# Altium PCB X98_CARRIER_V1R2_12082022.PcbDoc (part 6 of 10) (continued)
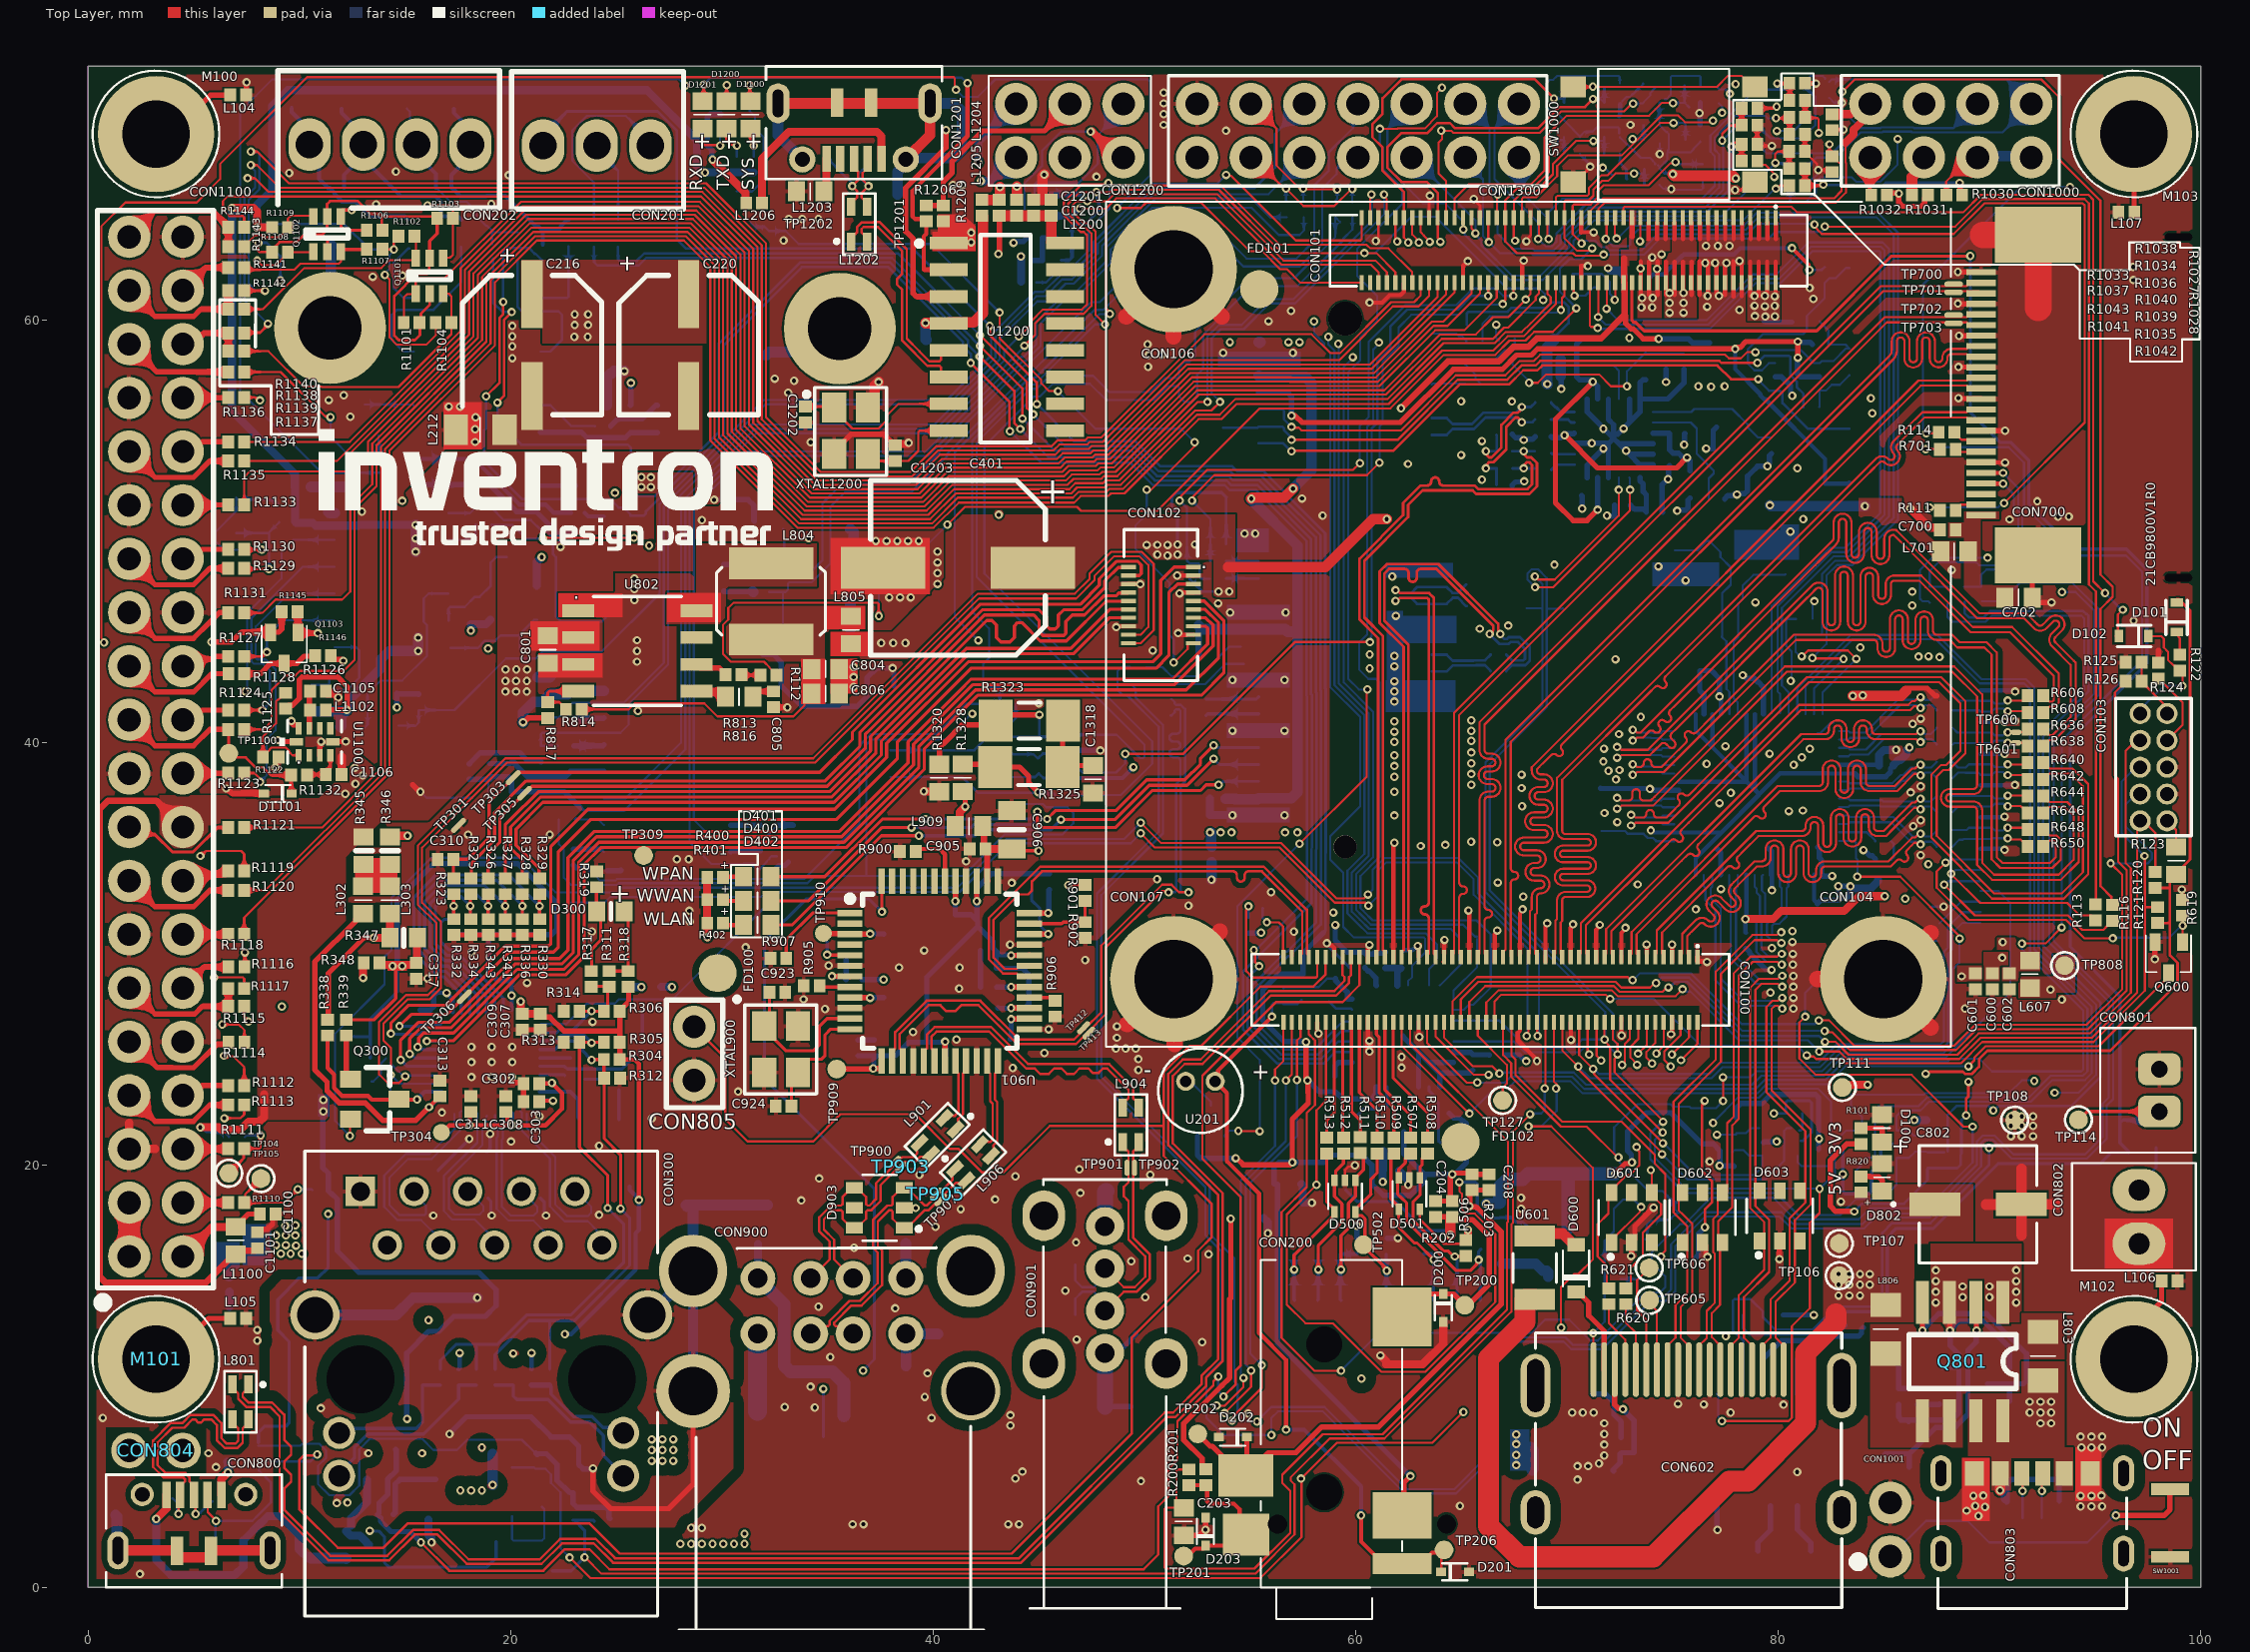
[diagram p0: Top Layer view]
## Nets (pads, with @x,y where several pads share a name; then routed paths per layer and width w, separated by ;. In a path a pad name is that pad's centre, name@x,y a point inside that pad or via, vN(x,y) a via of type N, cw(c..) or ccw(c..) an arc to the next point about the centre after c; other vN are vias at no path point) (continued)
  Bottom Layer w0.102: v1(73.114,38.967) 73.195,38.967 73.312,38.85 74.453,38.85 74.532,38.928 U600.44@75.082,38.928
LVDSTX2_P: R648.1 U600.43 | length 43.1
  Top Layer w0.102: v1(73.114,38.465) 73.193,38.465 73.323,38.595 74.588,38.595 80.843,44.85 83.135,44.85 83.358,44.85 84.519,44.85 cw(c84.519,44.672) 84.697,44.672 84.697,44.463 ccw(c85.118,44.463) 85.539,44.463 85.539,45.831 cw(c85.716,45.831) 85.894,45.831 85.894,44.836 ccw(c86.315,44.836) 86.736,44.836 86.736,45.779 cw(c86.914,45.779) 87.092,45.779 87.092,45.271 ccw(c87.513,45.271) 87.513,44.85 88.135,44.85 88.284,44.701 ; 88.177,44.8 88.482,44.496 89.767,44.496 89.837,44.426 90.106,44.157 90.106,34.468 90.517,34.057 92.98,34.057 93.384,34.461 93.384,35.392 93.182,35.594 92.844,35.594 92.823,35.614 92.784,35.614 92.556,35.843 R648.1@92.556,35.868
  Bottom Layer w0.102: v1(73.114,38.465) 73.193,38.465 73.335,38.607 74.453,38.607 74.532,38.528 U600.43@75.082,38.528
LVDSTX3_N: R642.1 U600.38 | length 44
  Top Layer w0.102: v1(73.035,36.567) 73.115,36.567 73.244,36.438 73.528,36.438 73.579,36.438 ccw(c73.579,36.616) 73.756,36.616 73.756,36.626 cw(c73.934,36.626) 74.112,36.626 74.112,36.616 ccw(c74.29,36.616) 74.29,36.438 74.7,36.438 75.018,36.755 75.257,36.995 75.293,37.03 ccw(c75.167,37.156) 75.293,37.282 cw(c75.418,37.408) 75.293,37.533 cw(c75.418,37.408) 75.544,37.533 ccw(c75.67,37.659) 75.796,37.533 76.412,38.15 81.353,43.091 87.724,43.091 88.869,41.945 88.869,39.494 88.066,38.69 87.812,38.69 87.506,38.384 87.506,35.573 90.233,32.846 92.995,32.846 ; R642.1@92.556,38.245 92.556,38.271 92.784,38.499 92.823,38.499 92.844,38.52 93.842,38.52 94.435,37.927 94.435,33.861 93.421,32.847 92.995,32.847
  Bottom Layer w0.102: v1(73.035,36.567) 73.115,36.567 73.244,36.438 73.931,36.438 73.943,36.45 74.453,36.45 74.532,36.528 U600.38@75.082,36.528
LVDSTX3_P: R640.1 U600.37 | length 43.9
  Top Layer w0.102: v1(73.035,36.065) 73.115,36.065 73.244,36.195 74.801,36.195 75.189,36.583 81.454,42.847 87.623,42.847 88.626,41.844 88.626,39.594 87.965,38.933 87.711,38.933 87.263,38.485 87.263,35.473 90.132,32.603 93.095,32.603 ; R640.1@92.556,39.038 92.556,39.012 92.784,38.784 92.823,38.784 92.844,38.763 93.943,38.763 94.678,38.028 94.678,33.76 93.522,32.604 93.096,32.604
  Bottom Layer w0.102: v1(73.035,36.065) 73.115,36.065 73.244,36.195 74.032,36.195 74.044,36.207 74.453,36.207 74.532,36.128 U600.37@75.082,36.128
MDI0_N: CON300.10 U300.2 | length 8.4
  Bottom Layer w0.102: U300.2@20.45,22.542 20.518,22.474 20.518,21.733 20.518,21.632 21.855,20.295 21.855,18.035 22.154,17.736 22.556,17.334 23.647,17.334 24.062,16.919 24.062,16.798 CON300.10@24.396,16.465
MDI0_P: CON300.9 U300.1 | length 7.9
  Bottom Layer w0.102: U300.1@20.761,22.428 20.761,21.733 22.098,20.396 22.098,18.136 22.397,17.837 22.657,17.577 23.647,17.577 23.8,17.729 23.8,18.034 23.292,18.542 CON300.9@23.292,18.618
MDI1_N: CON300.8 U300.5 | length 7.7
  Bottom Layer w0.102: U300.5@19.253,22.352 19.253,22.047 19.38,21.92 19.38,21.336 19.328,21.284 19.328,17.92 19.792,17.456 19.889,17.359 21.082,17.359 CON300.8@21.913,16.528
MDI1_P: CON300.7 U300.4 | length 7.2
  Bottom Layer w0.102: U300.4@19.634,22.377 19.623,22.367 19.623,21.235 19.572,21.183 19.572,18.02 19.99,17.602 21.082,17.602 21.26,17.78 21.26,18.009 20.828,18.44 CON300.7@20.828,18.466
MDI2_N: CON300.6 U300.7 | length 8.2
  Bottom Layer w0.102: U300.7@18.415,22.454 18.415,21.057 16.826,19.467 16.826,17.82 17.236,17.41 18.303,17.41 CON300.6@19.177,16.535
MDI2_P: CON300.5 U300.6 | length 7.9
  Bottom Layer w0.102: CON300.5@18.237,18.618 18.237,18.517 18.694,18.059 18.694,17.831 18.517,17.653 17.337,17.653 17.069,17.921 17.069,19.366 18.658,20.956 18.658,21.884 18.838,22.064 18.838,22.293 U300.6@18.872,22.327
MDI3_N: CON300.4 U300.10 | length 9.7
  Bottom Layer w0.102: CON300.4@16.612,16.535 15.763,17.384 14.631,17.384 14.006,18.009 14.006,19.493 15.037,20.523 16.154,20.523 17.339,21.708 17.339,22.158 17.324,22.172 U300.10@17.324,22.417
MDI3_P: CON300.3 U300.9 | length 9.3
  Bottom Layer w0.102: CON300.3@15.773,18.466 15.773,18.296 15.977,18.093 15.977,17.687 15.917,17.628 15.822,17.628 14.732,17.628 14.249,18.11 14.249,19.392 15.138,20.28 16.255,20.28 17.582,21.607 17.582,22.474 U300.9@17.65,22.542
MIC_EN: Q200.1 R119.1 | length 74.5
  Top Layer w0.102: v1(54.444,21.614) 54.453,21.605 55.446,21.605 v1(55.454,21.596) ; v1(57.343,35.2) 60.519,38.375 60.519,42.463 v1(60.56,42.504) ; v1(61.145,69.047) 61.15,69.051 61.981,69.051 61.993,69.063 63.27,69.063 63.848,69.641 63.848,70.729 64.086,70.967 v1(64.086,70.99)
  Layer 2 w0.102: v1(64.086,70.99) 64.651,71.556 76.703,71.556 77.59,70.669 77.674,70.669 v1(77.708,70.704)
  Bottom Layer w0.102: Q200.1@53.803,21.346 53.803,21.404 54.013,21.614 v1(54.444,21.614) ; v1(55.454,21.596) 55.454,24.974 54.402,26.027 54.402,32.216 54.402,32.258 v1(57.343,35.2) ; v1(60.56,42.504) 60.153,42.504 59.641,43.017 59.641,57.518 60.214,58.092 60.214,59.142 61.011,59.939 61.011,61.15 60.065,62.097 60.065,63.351 62.195,65.482 62.195,66.228 61.294,67.128 61.294,68.135 61.145,68.284 v1(61.145,69.047) ; R119.1@77.095,71.037 77.218,70.914 77.493,70.914 77.704,70.704 v1(77.708,70.704)
MIPI_CSI_CLK_N: CON100.53 CON700.5 TP702.1 | length 45
  Top Layer w0.102: CON100.53@65.779,29.837 65.779,29.925 65.858,30.003 65.858,35.472 65.858,37.248 cw(c66.279,37.248) 66.279,37.669 66.439,37.669 ccw(c66.439,37.847) 66.617,37.847 ccw(c66.439,37.847) 66.439,38.025 66.246,38.025 cw(c66.246,38.446) 65.825,38.446 cw(c66.246,38.446) 66.246,38.867 66.439,38.867 ccw(c66.439,39.044) 66.617,39.044 ccw(c66.439,39.044) 66.439,39.222 66.279,39.222 cw(c66.279,39.643) 65.858,39.643 65.858,39.816 65.858,40.941 85.045,60.128 88.931,60.128 89.059,60.257 CON700.5@89.609,60.257
MIPI_CSI_CLK_P: CON100.51 CON700.6 TP703.1 | length 45
  Top Layer w0.102: CON100.51@66.179,29.791 66.179,29.925 66.101,30.003 66.101,31.13 66.101,31.537 cw(c66.279,31.537) 66.279,31.715 ccw(c66.279,31.892) 66.279,32.07 cw(c66.279,32.248) 66.101,32.248 66.101,32.5 66.101,35.472 66.101,37.248 cw(c66.279,37.248) 66.279,37.426 66.439,37.426 ccw(c66.439,37.847) 66.86,37.847 ccw(c66.439,37.847) 66.439,38.268 66.246,38.268 cw(c66.246,38.446) 66.068,38.446 cw(c66.246,38.446) 66.246,38.623 66.439,38.623 ccw(c66.439,39.044) 66.86,39.044 ccw(c66.439,39.044) 66.439,39.465 66.279,39.465 cw(c66.279,39.643) 66.101,39.643 66.101,39.816 66.101,40.84 85.146,59.885 88.931,59.885 89.059,59.757 CON700.6@89.609,59.757
MIPI_CSI_D0_N: CON100.59 CON700.2 TP700.1 | length 45
  Top Layer w0.102: CON100.59@64.579,29.837 64.579,29.925 64.658,30.003 64.658,41.397 84.859,61.599 88.901,61.599 89.059,61.757 CON700.2@89.609,61.757
MIPI_CSI_D0_P: CON100.57 CON700.3 TP701.1 | length 45
  Top Layer w0.102: CON100.57@64.979,29.837 64.979,29.925 64.901,30.003 64.901,30.824 64.901,32.653 cw(c65.079,32.653) 65.079,32.831 65.089,32.831 ccw(c65.089,33.008) 65.089,33.186 65.079,33.186 cw(c65.079,33.364) 64.901,33.364 64.901,33.803 64.901,41.296 84.96,61.356 89.51,61.356 CON700.3@89.609,61.257
MIPI_CSI_D1_N: CON100.47 CON700.8 | length 45.2
  Top Layer w0.102: CON100.47@66.979,29.837 66.979,30.087 67.028,30.136 67.036,30.136 67.095,30.195 67.095,40.124 85.176,58.205 85.262,58.291 ; 85.262,58.291 ccw(c84.987,58.567) 85.377,58.567 85.377,58.992 cw(c85.798,58.992) 86.219,58.992 86.219,58.169 ccw(c86.396,58.169) 86.574,58.169 86.574,58.992 cw(c86.995,58.992) 87.416,58.992 87.416,58.176 ccw(c87.594,58.176) 87.772,58.176 87.772,58.207 cw(c88.193,58.207) 88.193,58.628 88.582,58.628 88.804,58.628 88.931,58.628 89.059,58.757 CON700.8@89.609,58.757
MIPI_CSI_D1_P: CON100.45 CON700.9 | length 45
  Top Layer w0.102: CON100.45@67.379,29.837 67.339,29.877 67.339,32.932 67.339,33.339 cw(c67.516,33.339) 67.516,33.516 ccw(c67.517,33.694) 67.517,33.872 cw(c67.516,34.05) 67.339,34.05 67.339,34.507 67.339,40.024 85.176,57.861 85.434,58.119 ccw(c84.987,58.567) 85.62,58.567 85.62,58.992 cw(c85.798,58.992) 85.975,58.992 85.975,58.169 ccw(c86.396,58.169) 86.817,58.169 86.817,58.992 cw(c86.995,58.992) 87.173,58.992 87.173,58.176 ccw(c87.594,58.176) 88.015,58.176 88.015,58.207 cw(c88.193,58.207) 88.193,58.385 88.582,58.385 88.804,58.385 88.931,58.385 88.983,58.333 CON700.9@89.533,58.333
MIPI_CSI_D2_N: CON100.41 CON700.11 | length 45
  Top Layer w0.102: CON100.41@68.179,29.837 68.179,29.925 68.258,30.003 68.258,32.015 68.334,32.091 68.334,32.314 68.334,32.677 cw(c68.755,32.677) 68.755,33.098 ccw(c68.755,33.275) 68.755,33.453 68.456,33.453 cw(c68.456,33.874) 68.456,34.295 68.576,34.295 ccw(c68.576,34.473) 68.576,34.651 67.963,34.651 cw(c67.963,35.072) 67.963,35.493 68.91,35.493 ccw(c68.91,35.671) 68.91,35.848 68.438,35.848 cw(c68.438,36.269) 68.438,36.69 68.91,36.69 ccw(c68.91,36.868) 68.91,37.046 68.649,37.046 cw(c68.649,37.467) 68.649,37.888 68.91,37.888 ccw(c68.91,38.066) 68.91,38.244 68.755,38.244 cw(c68.755,38.665) 68.334,38.665 68.334,38.82 68.351,38.837 86.643,57.128 88.931,57.128 89.059,57.257 CON700.11@89.609,57.257
MIPI_CSI_D2_P: CON100.39 CON700.12 | length 45
  Top Layer w0.102: CON100.39@68.579,29.837 68.579,29.925 68.501,30.003 68.501,31.848 68.577,31.925 68.577,32.091 68.577,32.314 68.577,32.677 cw(c68.755,32.677) 68.755,32.854 ccw(c68.755,33.275) 68.755,33.696 68.456,33.696 cw(c68.456,33.874) 68.456,34.052 68.576,34.052 ccw(c68.576,34.473) 68.576,34.894 67.963,34.894 cw(c67.963,35.072) 67.963,35.25 68.91,35.25 ccw(c68.91,35.671) 68.91,36.092 68.438,36.092 cw(c68.438,36.269) 68.438,36.447 68.91,36.447 ccw(c68.91,36.868) 68.91,37.289 68.649,37.289 cw(c68.649,37.467) 68.649,37.645 68.91,37.645 ccw(c68.91,38.066) 68.91,38.487 68.755,38.487 cw(c68.755,38.665) 68.577,38.665 68.577,38.719 68.695,38.837 68.972,39.114 69.259,39.401 cw(c69.385,39.275) 69.511,39.401 ccw(c69.637,39.527) 69.762,39.401 ccw(c69.637,39.527) 69.762,39.653 cw(c69.888,39.778) 69.762,39.904 70.064,40.206 86.743,56.885 88.931,56.885 89.059,56.757 CON700.12@89.609,56.757
MIPI_CSI_D3_N: CON100.35 CON700.14 | length 45.1
  Top Layer w0.102: CON100.35@69.379,29.837 69.379,29.925 69.458,30.003 69.458,31.567 69.534,31.643 69.534,32.529 cw(c69.93,32.529) 69.93,32.924 70.947,32.924 ccw(c70.947,33.077) 71.099,33.077 ccw(c70.947,33.077) 70.947,33.229 69.821,33.229 cw(c69.821,33.625) 69.426,33.625 cw(c69.821,33.625) 69.821,34.02 70.981,34.02 ccw(c70.981,34.173) 71.133,34.173 ccw(c70.981,34.173) 70.981,34.325 69.821,34.325 cw(c69.821,34.721) 69.426,34.721 cw(c69.821,34.721) 69.821,35.116 70.981,35.116 ccw(c70.981,35.269) 71.133,35.269 ccw(c70.981,35.269) 70.981,35.421 69.93,35.421 cw(c69.93,35.817) 69.534,35.817 69.534,35.989 69.534,38.331 84.076,52.873 84.197,52.995 ; 84.198,52.995 84.62,53.418 cw(c84.919,53.12) 85.216,53.419 ; 85.217,53.418 ccw(c85.342,53.544) 85.468,53.418 ccw(c85.342,53.544) 85.468,53.669 ; 85.467,53.67 cw(c85.766,53.967) 85.468,54.266 85.945,54.742 ; 85.946,54.743 86.067,54.864 86.831,55.628 88.931,55.628 89.059,55.757 CON700.14@89.609,55.757
MIPI_CSI_D3_P: CON100.33 CON700.15 | length 45.1
  Top Layer w0.102: CON100.33@69.779,29.837 69.779,29.925 69.701,30.003 69.701,31.466 69.777,31.543 69.777,31.643 69.777,32.529 cw(c69.93,32.529) 69.93,32.681 70.947,32.681 ccw(c70.947,33.077) 71.342,33.077 ccw(c70.947,33.077) 70.947,33.472 69.821,33.472 cw(c69.821,33.625) 69.669,33.625 cw(c69.821,33.625) 69.821,33.777 70.981,33.777 ccw(c70.981,34.173) 71.376,34.173 ccw(c70.981,34.173) 70.981,34.568 69.821,34.568 cw(c69.821,34.721) 69.669,34.721 cw(c69.821,34.721) 69.821,34.873 70.981,34.873 ccw(c70.981,35.269) 71.376,35.269 ccw(c70.981,35.269) 70.981,35.664 69.93,35.664 cw(c69.93,35.817) 69.777,35.817 69.777,35.989 69.777,38.231 73.878,42.331 74.165,42.618 cw(c74.291,42.493) 74.417,42.618 ccw(c74.542,42.744) 74.668,42.618 ccw(c74.542,42.744) 74.668,42.87 cw(c74.794,42.996) 74.668,43.121 75.101,43.554 84.248,52.701 84.369,52.823 84.792,53.246 cw(c84.919,53.12) 85.044,53.246 ; 85.045,53.246 ccw(c85.342,53.544) 85.639,53.246 ; 85.64,53.247 ccw(c85.342,53.544) 85.64,53.841 cw(c85.766,53.967) 85.64,54.093 86.117,54.57 86.239,54.692 86.932,55.385 88.931,55.385 89.059,55.257 CON700.15@89.609,55.257
MIPI_DSI_CK_N: CON100.15 R641.1 U600.8 | length 27.8
  Top Layer w0.102: CON100.15@73.379,29.837 73.379,29.925 73.301,30.003 73.301,30.177 73.301,30.92 78.554,36.174 78.842,36.461 cw(c78.967,36.335) 79.093,36.461 79.108,36.447 ccw(c79.233,36.572) 79.359,36.447 ccw(c79.233,36.572) 79.359,36.698 79.344,36.713 cw(c79.47,36.838) 79.344,36.964 79.525,37.145 80.072,37.692 81.762,37.692 81.934,37.692 ccw(c81.934,38.113) 82.355,38.113 82.355,38.722 cw(c82.533,38.722) 82.533,38.9 cw(c82.533,38.722) 82.711,38.722 82.711,37.789 ccw(c83.132,37.789) 83.132,37.368 ccw(c83.132,37.789) 83.553,37.789 83.553,38.722 cw(c83.731,38.722) 83.731,38.9 cw(c83.731,38.722) 83.908,38.722 83.908,38.113 ccw(c84.329,38.113) 84.329,37.692 85.204,37.692 85.626,37.692 86.448,38.514 86.532,38.514 86.551,38.495 86.684,38.495 v1(86.741,38.438)
  Bottom Layer w0.102: U600.8@82.897,37.739 83.324,37.739 83.402,37.818 85.502,37.818 85.869,38.185 85.989,38.185 86.372,38.567 86.532,38.567 86.661,38.438 v1(86.741,38.438) 86.82,38.438 86.95,38.567 87.252,38.567 87.506,38.313 R641.1@87.506,38.288
MIPI_DSI_CK_P: CON100.17 R639.1 U600.7 | length 27.8
  Top Layer w0.102: CON100.17@72.979,29.837 72.979,29.925 73.058,30.003 73.058,30.278 73.058,31.021 79.972,37.935 81.762,37.935 81.934,37.935 ccw(c81.934,38.113) 82.112,38.113 82.112,38.722 cw(c82.533,38.722) 82.533,39.143 cw(c82.533,38.722) 82.954,38.722 82.954,37.789 ccw(c83.132,37.789) 83.132,37.611 ccw(c83.132,37.789) 83.31,37.789 83.31,38.722 cw(c83.731,38.722) 83.731,39.143 cw(c83.731,38.722) 84.152,38.722 84.152,38.113 ccw(c84.329,38.113) 84.329,37.935 85.204,37.935 85.525,37.935 86.347,38.757 86.479,38.757 86.661,38.94 v1(86.741,38.94)
  Bottom Layer w0.102: U600.7@82.897,38.139 83.324,38.139 83.402,38.061 85.402,38.061 85.796,38.455 85.916,38.455 86.271,38.811 86.532,38.811 86.661,38.94 v1(86.741,38.94) 86.82,38.94 86.95,38.811 87.252,38.811 87.506,39.065 R639.1@87.506,39.09
MIPI_DSI_D0_N: CON100.27 R607.1 U600.2 | length 27.7
  Top Layer w0.102: CON100.27@70.979,29.837 70.979,29.925 70.901,30.003 70.901,31.342 74.635,35.077 74.923,35.364 cw(c75.048,35.238) 75.174,35.364 75.196,35.342 ccw(c75.322,35.468) 75.447,35.342 ccw(c75.322,35.468) 75.447,35.594 75.425,35.616 cw(c75.551,35.741) 75.425,35.867 75.752,36.194 81.09,41.531 86.266,41.531 86.448,41.714 86.532,41.714 86.551,41.695 86.684,41.695 v1(86.741,41.638)
  Bottom Layer w0.102: U600.2@82.897,40.139 83.324,40.139 83.402,40.218 84.219,40.218 85.769,41.767 86.532,41.767 86.661,41.638 v1(86.741,41.638) 86.82,41.638 86.95,41.767 87.218,41.767 ; 87.218,41.767 87.277,41.767 87.506,41.538 R607.1@87.506,41.513
MIPI_DSI_D0_P: CON100.29 R605.1 U600.1 | length 27.7
  Top Layer w0.102: CON100.29@70.579,29.837 70.579,29.925 70.658,30.003 70.658,31.443 80.989,41.774 86.165,41.774 86.347,41.957 86.479,41.957 86.661,42.139 v1(86.741,42.139)
  Bottom Layer w0.102: U600.1@82.897,40.539 83.324,40.539 83.402,40.461 84.119,40.461 85.668,42.01 86.532,42.01 86.661,42.139 v1(86.741,42.139) 86.82,42.139 86.95,42.01 87.226,42.01 87.506,42.29 R605.1@87.506,42.315
MIPI_DSI_D1_N: CON100.21 R637.1 U600.4 | length 27.6
  Top Layer w0.102: CON100.21@72.179,29.837 72.179,29.925 72.101,30.003 72.101,31.061 75.432,34.392 75.72,34.68 cw(c75.845,34.554) 75.971,34.68 75.977,34.673 ccw(c76.103,34.799) 76.229,34.673 ccw(c76.103,34.799) 76.229,34.925 76.222,34.931 cw(c76.348,35.057) 76.222,35.183 76.62,35.58 81.187,40.148 82.046,40.148 82.218,40.148 ccw(c82.218,40.569) 82.639,40.569 82.639,40.624 cw(c82.817,40.624) 82.817,40.802 cw(c82.817,40.624) 82.995,40.624 82.995,40.194 ccw(c83.416,40.194) 83.416,39.773 ccw(c83.416,40.194) 83.837,40.194 83.837,40.624 cw(c84.014,40.624) 84.014,40.802 cw(c84.014,40.624) 84.192,40.624 84.192,40.569 ccw(c84.613,40.569) 84.613,40.148 85.459,40.148 86.532,40.148 86.661,40.018 v1(86.741,40.018)
  Bottom Layer w0.102: U600.4@82.897,39.339 83.324,39.339 83.402,39.418 84.258,39.418 84.987,40.148 86.532,40.148 86.661,40.018 v1(86.741,40.018) 86.82,40.018 86.95,40.148 87.218,40.148 ; 87.218,40.147 87.277,40.147 87.506,39.919 R637.1@87.506,39.893
MIPI_DSI_D1_P: CON100.23 R635.1 U600.3 | length 27.6
  Top Layer w0.102: CON100.23@71.779,29.837 71.779,29.925 71.858,30.003 71.858,31.162 81.087,40.391 82.046,40.391 82.218,40.391 ccw(c82.218,40.569) 82.396,40.569 82.396,40.624 cw(c82.817,40.624) 82.817,41.045 cw(c82.817,40.624) 83.238,40.624 83.238,40.194 ccw(c83.416,40.194) 83.416,40.016 ccw(c83.416,40.194) 83.593,40.194 83.593,40.624 cw(c84.014,40.624) 84.014,41.045 cw(c84.014,40.624) 84.435,40.624 84.435,40.569 ccw(c84.613,40.569) 84.613,40.391 85.459,40.391 86.532,40.391 86.661,40.52 v1(86.741,40.52)
  Bottom Layer w0.102: U600.3@82.897,39.739 83.324,39.739 83.402,39.661 84.157,39.661 84.887,40.391 86.532,40.391 86.661,40.52 v1(86.741,40.52) 86.82,40.52 86.95,40.391 87.226,40.391 87.506,40.671 R635.1@87.506,40.696
MIPI_DSI_D2_N: CON100.9 R645.1 U600.10 | length 27.7
  Top Layer w0.102: CON100.9@74.579,29.837 74.579,29.925 74.501,30.003 74.501,31.003 77.303,33.805 77.591,34.093 cw(c77.716,33.967) 77.842,34.093 77.857,34.078 ccw(c77.982,34.204) 78.108,34.078 ccw(c77.982,34.204) 78.108,34.329 78.093,34.344 cw(c78.219,34.47) 78.093,34.595 78.37,34.872 79.062,35.564 79.748,35.564 81.118,35.564 ccw(c81.118,35.985) 81.539,35.985 81.539,36.053 cw(c81.716,36.053) 81.716,36.231 cw(c81.716,36.053) 81.894,36.053 81.894,35.227 ccw(c82.315,35.227) 82.315,34.806 ccw(c82.315,35.227) 82.736,35.227 82.736,36.424 cw(c82.914,36.424) 82.914,36.601 cw(c82.914,36.424) 83.092,36.424 83.092,35.49 ccw(c83.513,35.49) 83.513,35.069 ccw(c83.513,35.49) 83.934,35.49 83.934,36.424 cw(c84.112,36.424) 84.112,36.601 cw(c84.112,36.424) 84.289,36.424 84.289,35.985 ccw(c84.71,35.985) 84.71,35.564 85.104,35.564 85.483,35.944 85.534,35.995 86.448,36.908 86.532,36.908 86.551,36.89 86.684,36.89 v1(86.741,36.833)
  Bottom Layer w0.102: U600.10@82.897,36.939 83.324,36.939 83.402,37.018 84.812,37.018 84.868,36.962 86.532,36.962 86.661,36.833 v1(86.741,36.833) 86.82,36.833 86.95,36.962 87.252,36.962 87.506,36.707 R645.1@87.506,36.682
MIPI_DSI_D2_P: CON100.11 R643.1 U600.9 | length 27.7
  Top Layer w0.102: CON100.11@74.179,29.837 74.179,29.925 74.258,30.003 74.258,31.103 78.961,35.807 79.748,35.807 81.118,35.807 ccw(c81.118,35.985) 81.295,35.985 81.295,36.053 cw(c81.716,36.053) 81.716,36.474 cw(c81.716,36.053) 82.137,36.053 82.137,35.227 ccw(c82.315,35.227) 82.315,35.049 ccw(c82.315,35.227) 82.493,35.227 82.493,36.424 cw(c82.914,36.424) 82.914,36.845 cw(c82.914,36.424) 83.335,36.424 83.335,35.49 ccw(c83.513,35.49) 83.513,35.313 ccw(c83.513,35.49) 83.691,35.49 83.691,36.424 cw(c84.112,36.424) 84.112,36.845 cw(c84.112,36.424) 84.533,36.424 84.533,35.985 ccw(c84.71,35.985) 84.71,35.807 85.003,35.807 85.311,36.116 85.534,36.338 86.347,37.152 86.479,37.152 86.661,37.334 v1(86.741,37.334)
  Bottom Layer w0.102: U600.9@82.897,37.339 83.324,37.339 83.402,37.261 84.913,37.261 84.969,37.205 86.532,37.205 86.661,37.334 v1(86.741,37.334) 86.82,37.334 86.95,37.205 87.252,37.205 87.506,37.459 R643.1@87.506,37.485
MIPI_DSI_D3_N: CON100.3 R649.1 U600.12 | length 27.8
  Top Layer w0.102: CON100.3@75.779,29.837 75.779,29.925 75.701,30.003 75.701,30.838 75.811,30.948 ; 75.795,30.933 75.811,30.948 ; 75.917,31.054 75.811,30.948 ; 75.932,31.07 75.811,30.948 ; 75.933,31.07 76.263,31.4 cw(c76.389,31.275) 76.515,31.4 ; 76.516,31.4 ccw(c76.813,31.698) 77.11,31.997 76.899,32.207 ; 76.899,32.208 cw(c77.024,32.334) 76.899,32.459 cw(c77.024,32.334) 77.15,32.459 ; 77.151,32.459 77.512,32.097 ccw(c77.81,32.395) 78.107,32.097 ; 77.957,33.094 ccw(c78.083,32.969) 77.957,32.843 78.107,32.693 cw(c77.81,32.395) 78.108,32.098 ; 77.958,33.095 78.079,33.216 78.99,34.127 79.057,34.127 79.229,34.127 ccw(c79.229,34.548) 79.65,34.548 79.65,34.94 cw(c79.828,34.94) 79.828,35.118 cw(c79.828,34.94) 80.006,34.94 80.006,33.805 ccw(c80.427,33.805) 80.427,33.384 ccw(c80.427,33.805) 80.848,33.805 80.848,34.94 cw(c81.026,34.94) 81.026,35.118 cw(c81.026,34.94) 81.203,34.94 81.203,33.805 ccw(c81.624,33.805) 81.624,33.384 ccw(c81.624,33.805) 82.045,33.805 82.045,33.949 cw(c82.223,33.949) 82.223,34.127 82.915,34.127 85.308,34.127 85.328,34.127 85.605,34.405 cw(c85.731,34.279) 85.857,34.405 ccw(c85.983,34.53) 86.108,34.405 ccw(c85.983,34.53) 86.108,34.656 cw(c86.234,34.782) 86.108,34.907 86.328,35.127 86.448,35.247 86.532,35.247 86.551,35.228 86.684,35.228 v1(86.741,35.171)
  Bottom Layer w0.102: U600.12@82.897,36.139 83.324,36.139 83.402,36.218 85.359,36.218 85.724,35.852 85.724,35.847 86.271,35.301 86.532,35.301 86.661,35.171 v1(86.741,35.171) 86.82,35.171 86.95,35.301 87.218,35.301 ; 87.218,35.3 87.277,35.3 87.506,35.072 R649.1@87.506,35.046
MIPI_DSI_D3_P: CON100.5 R647.1 U600.11 | length 27.8
  Top Layer w0.102: CON100.5@75.379,29.837 75.379,29.925 75.458,30.003 75.458,30.939 75.674,31.155 ; 75.623,31.104 75.639,31.12 75.76,31.242 76.091,31.572 cw(c76.389,31.275) 76.686,31.574 ccw(c76.813,31.698) 76.938,31.825 76.727,32.036 cw(c77.024,32.334) 76.726,32.631 ; 76.727,32.632 cw(c77.024,32.334) 77.323,32.631 77.683,32.27 ; 77.683,32.27 ccw(c77.81,32.395) 77.935,32.269 ccw(c77.81,32.395) 77.935,32.521 ; 77.935,32.521 77.786,32.67 cw(c78.083,32.969) 77.786,33.267 77.907,33.388 78.889,34.37 79.057,34.37 79.229,34.37 ccw(c79.229,34.548) 79.407,34.548 79.407,34.94 cw(c79.828,34.94) 79.828,35.361 cw(c79.828,34.94) 80.249,34.94 80.249,33.805 ccw(c80.427,33.805) 80.427,33.627 ccw(c80.427,33.805) 80.605,33.805 80.605,34.94 cw(c81.026,34.94) 81.026,35.361 cw(c81.026,34.94) 81.447,34.94 81.447,33.805 ccw(c81.624,33.805) 81.624,33.627 ccw(c81.624,33.805) 81.802,33.805 81.802,33.949 cw(c82.223,33.949) 82.223,34.37 82.915,34.37 85.227,34.37 86.347,35.49 86.479,35.49 86.661,35.673 v1(86.741,35.673)
  Bottom Layer w0.102: U600.11@82.897,36.539 83.324,36.539 83.402,36.461 85.46,36.461 85.812,36.109 86.036,35.884 86.036,35.879 86.372,35.544 86.532,35.544 86.661,35.673 v1(86.741,35.673) 86.82,35.673 86.95,35.544 87.226,35.544 87.506,35.824 R647.1@87.506,35.849
NetC201_1: C201.1 C202.2 L200.2 U200.5
NetC204_2: C204.2 C205.2 CON200.2 D200.2 R202.1 TP200.1 | length 17.3
  Top Layer w0.254: CON200.2@62.2,12.8 63.29,13.89 D200.2@64.148,13.89 64.631,13.89 TP200.1@65.164,13.357 65.322,13.357 66.327,14.363 66.327,16.608 65.524,17.411 64.699,17.411 C204.2@64.572,17.538 ; R202.1@63.775,17.538 C204.2@64.546,17.538
  Top Layer w0.508: v1(64.479,16.686) 64.479,17.445 64.521,17.487 64.521,17.512 64.546,17.538 C204.2@64.572,17.538
  Bottom Layer w0.152: C205.2@59.538,18.796 60.075,18.259 61.915,18.259 62.833,17.341 62.833,16.982 62.937,16.877 64.266,16.877 64.458,16.686 v1(64.479,16.686)
NetC205_1: C205.1 U200.6 | length 2.5
  Bottom Layer w0.152: C205.1@60.071,22.352 60.372,22.653 61.388,22.653 61.478,22.743 U200.6@61.478,23.694
NetC206_1: C206.1 L201.2 U200.20 | length 1.7
  Bottom Layer w0.305: L201.2@61.402,29.316 62.171,29.316 61.98,29.126 61.98,28.497 U200.20@61.978,28.494
NetC207_1: C207.1 U200.2 | length 2.9
  Bottom Layer w0.152: U200.2@63.478,23.694 63.478,23.494 63.551,23.421 63.561,23.421 63.65,23.331 63.65,23.222 63.902,22.97 63.902,22.014 63.922,21.994 63.922,21.144 C207.1@64.011,21.055
NetC207_2: C207.2 C208.1 CON200.3 D202.2 R203.1 TP202.1 | length 27.3
  Top Layer w0.254: TP202.1@52.525,7.267 53.109,6.683 53.217,6.683 54.6,5.3 CON200.3@54.8,5.3 CON200.3@54.843,5.343 ; D202.2@54.843,7.111 CON200.3@54.843,5.343 ; v1(65.381,18.051) 65.409,18.023 65.672,18.023 65.725,17.969 65.756,17.969 66.886,16.839 66.886,13.393 61.088,7.595 58.39,7.595 57.169,6.373 55.873,6.373 CON200.3@54.843,5.343 ; v1@65.426,18.071 65.409,18.087 65.409,18.715 R203.1@65.502,18.808 C208.1@66.315,18.808
NetC209_1: C209.1 L204.2 U200.30 | length 1.7
  Bottom Layer w0.254: U200.30@64.628,25.344 64.651,25.321 65.45,25.321 C209.1@65.541,25.23 65.554,25.217 66.304,25.217 L204.2@66.316,25.204
NetC210_2: C210.2 R205.1 U200.16 | length 3.9
  Bottom Layer w0.117: R205.1@56.591,28.369 56.631,28.409 58.238,28.409 58.651,28.822 C210.2@58.909,28.822
  Bottom Layer w0.254: C210.2@59.036,28.822 59.036,28.744 C210.2@59.084,28.696 ; C210.2@59.085,28.696 59.605,28.177 59.605,27.867 59.628,27.844 U200.16@59.828,27.844
NetC211_1: C211.1 U200.15 | length 1.3
  Bottom Layer w0.117: C211.1@58.728,27.739 59.076,27.391 59.781,27.391 U200.15@59.828,27.344
NetC211_2: C211.2 CON200.1 D201.2 R205.2 TP206.1 U201.P | length 36.8
  Top Layer w0.117: D201.2@64.039,0.736 64.052,0.736 TP206.1@64.052,1.64
  Top Layer w0.2: v1(56.032,27.014) 53.483,24.464 53.483,24.093 U201.P@53.349,23.959 53.899,23.409 53.899,20.172 55.428,18.643 55.428,12.039 56.698,10.769 v1(56.698,7.467) ; v1(60.254,3.403) 60.254,2.171 61.3,1.125 CON200.1@62.2,1.125 63.1,1.125 63.615,1.64 TP206.1@64.052,1.64
  Bottom Layer w0.117: v1(56.032,27.014) 56.032,27.578 56.111,27.657 56.554,27.657 R205.2@56.591,27.62 57.245,27.62 C211.2@57.428,27.803
  Bottom Layer w0.2: v1(56.698,7.467) 57.565,7.467 60.254,4.778 v1(60.254,3.403)
NetC212_1: C212.1 CON201.3 | length 9.4
  Bottom Layer w0.102: C212.1@23.939,64.746 23.939,66.501 22.918,67.523 22.918,68.977 23.593,69.652 25.458,69.652 26.61,68.5 CON201.3@26.61,68.25
NetC212_2: C212.2 U200.13 | length 71.6
  Top Layer w0.117: v1(42.212,58.766) 44.212,56.765 44.212,55.343 v1(44.225,55.33)
  Bottom Layer w0.117: C212.2@23.939,63.446 23.939,62.739 24.1,62.578 26.057,62.578 26.413,62.934 38.05,62.934 41.852,59.132 41.852,59.118 42.204,58.766 v1(42.212,58.766) ; v1(44.225,55.33) 45.747,53.808 49.388,53.808 50.585,52.612 53.981,52.612 54.189,52.404 55.441,52.404 56.17,51.675 56.17,51.651 58.112,49.709 58.112,42.373 58.141,42.344 58.141,38.598 58.14,38.597 58.14,35.117 ccw(c59.499,35.053) 58.139,35.035 ; 58.139,35.034 58.139,35.028 58.131,34.825 58.131,31.474 56.755,30.097 56.697,30.097 55.098,28.499 55.098,26.604 56.468,25.235 58.234,25.235 59.344,26.344 U200.13@59.828,26.344
NetC213_1: C213.1 CON201.2 | length 3.8
  Bottom Layer w0.102: CON201.2@24.212,68.167 24.212,67.917 25.079,67.05 C213.1@25.079,64.746
NetC213_2: C213.2 U200.14 | length 70.3
  Top Layer w0.117: v1(42.212,59.267) 42.219,59.267 44.431,57.056 44.431,55.825 v1(44.73,55.526)
  Bottom Layer w0.117: C213.2@25.079,63.446 25.079,62.865 25.148,62.796 25.966,62.796 26.322,63.152 38.327,63.152 v1(42.212,59.267) ; v1(44.73,55.526) 46.229,54.027 49.479,54.027 50.675,52.83 54.072,52.83 54.28,52.623 55.531,52.623 56.389,51.765 56.389,51.742 58.331,49.8 58.331,42.463 58.36,42.434 58.36,38.507 58.358,38.506 58.358,35.112 ccw(c59.499,35.053) 58.357,35.037 cw(c58.139,35.035) 58.357,35.035 58.357,34.945 58.357,34.937 58.35,34.734 58.35,31.383 56.845,29.879 56.787,29.879 55.317,28.408 55.317,26.695 56.558,25.453 58.042,25.453 59.373,26.784 59.768,26.784 U200.14@59.828,26.844
NetC214_1: C214.1 U200.10 | length 1.3
  Bottom Layer w0.254: C214.1@59.023,24.217 59.023,24.696 59.172,24.844 U200.10@59.828,24.844